# Altium PCB Copy of drac_v3.PcbDoc (part 1 of 5) (continued)
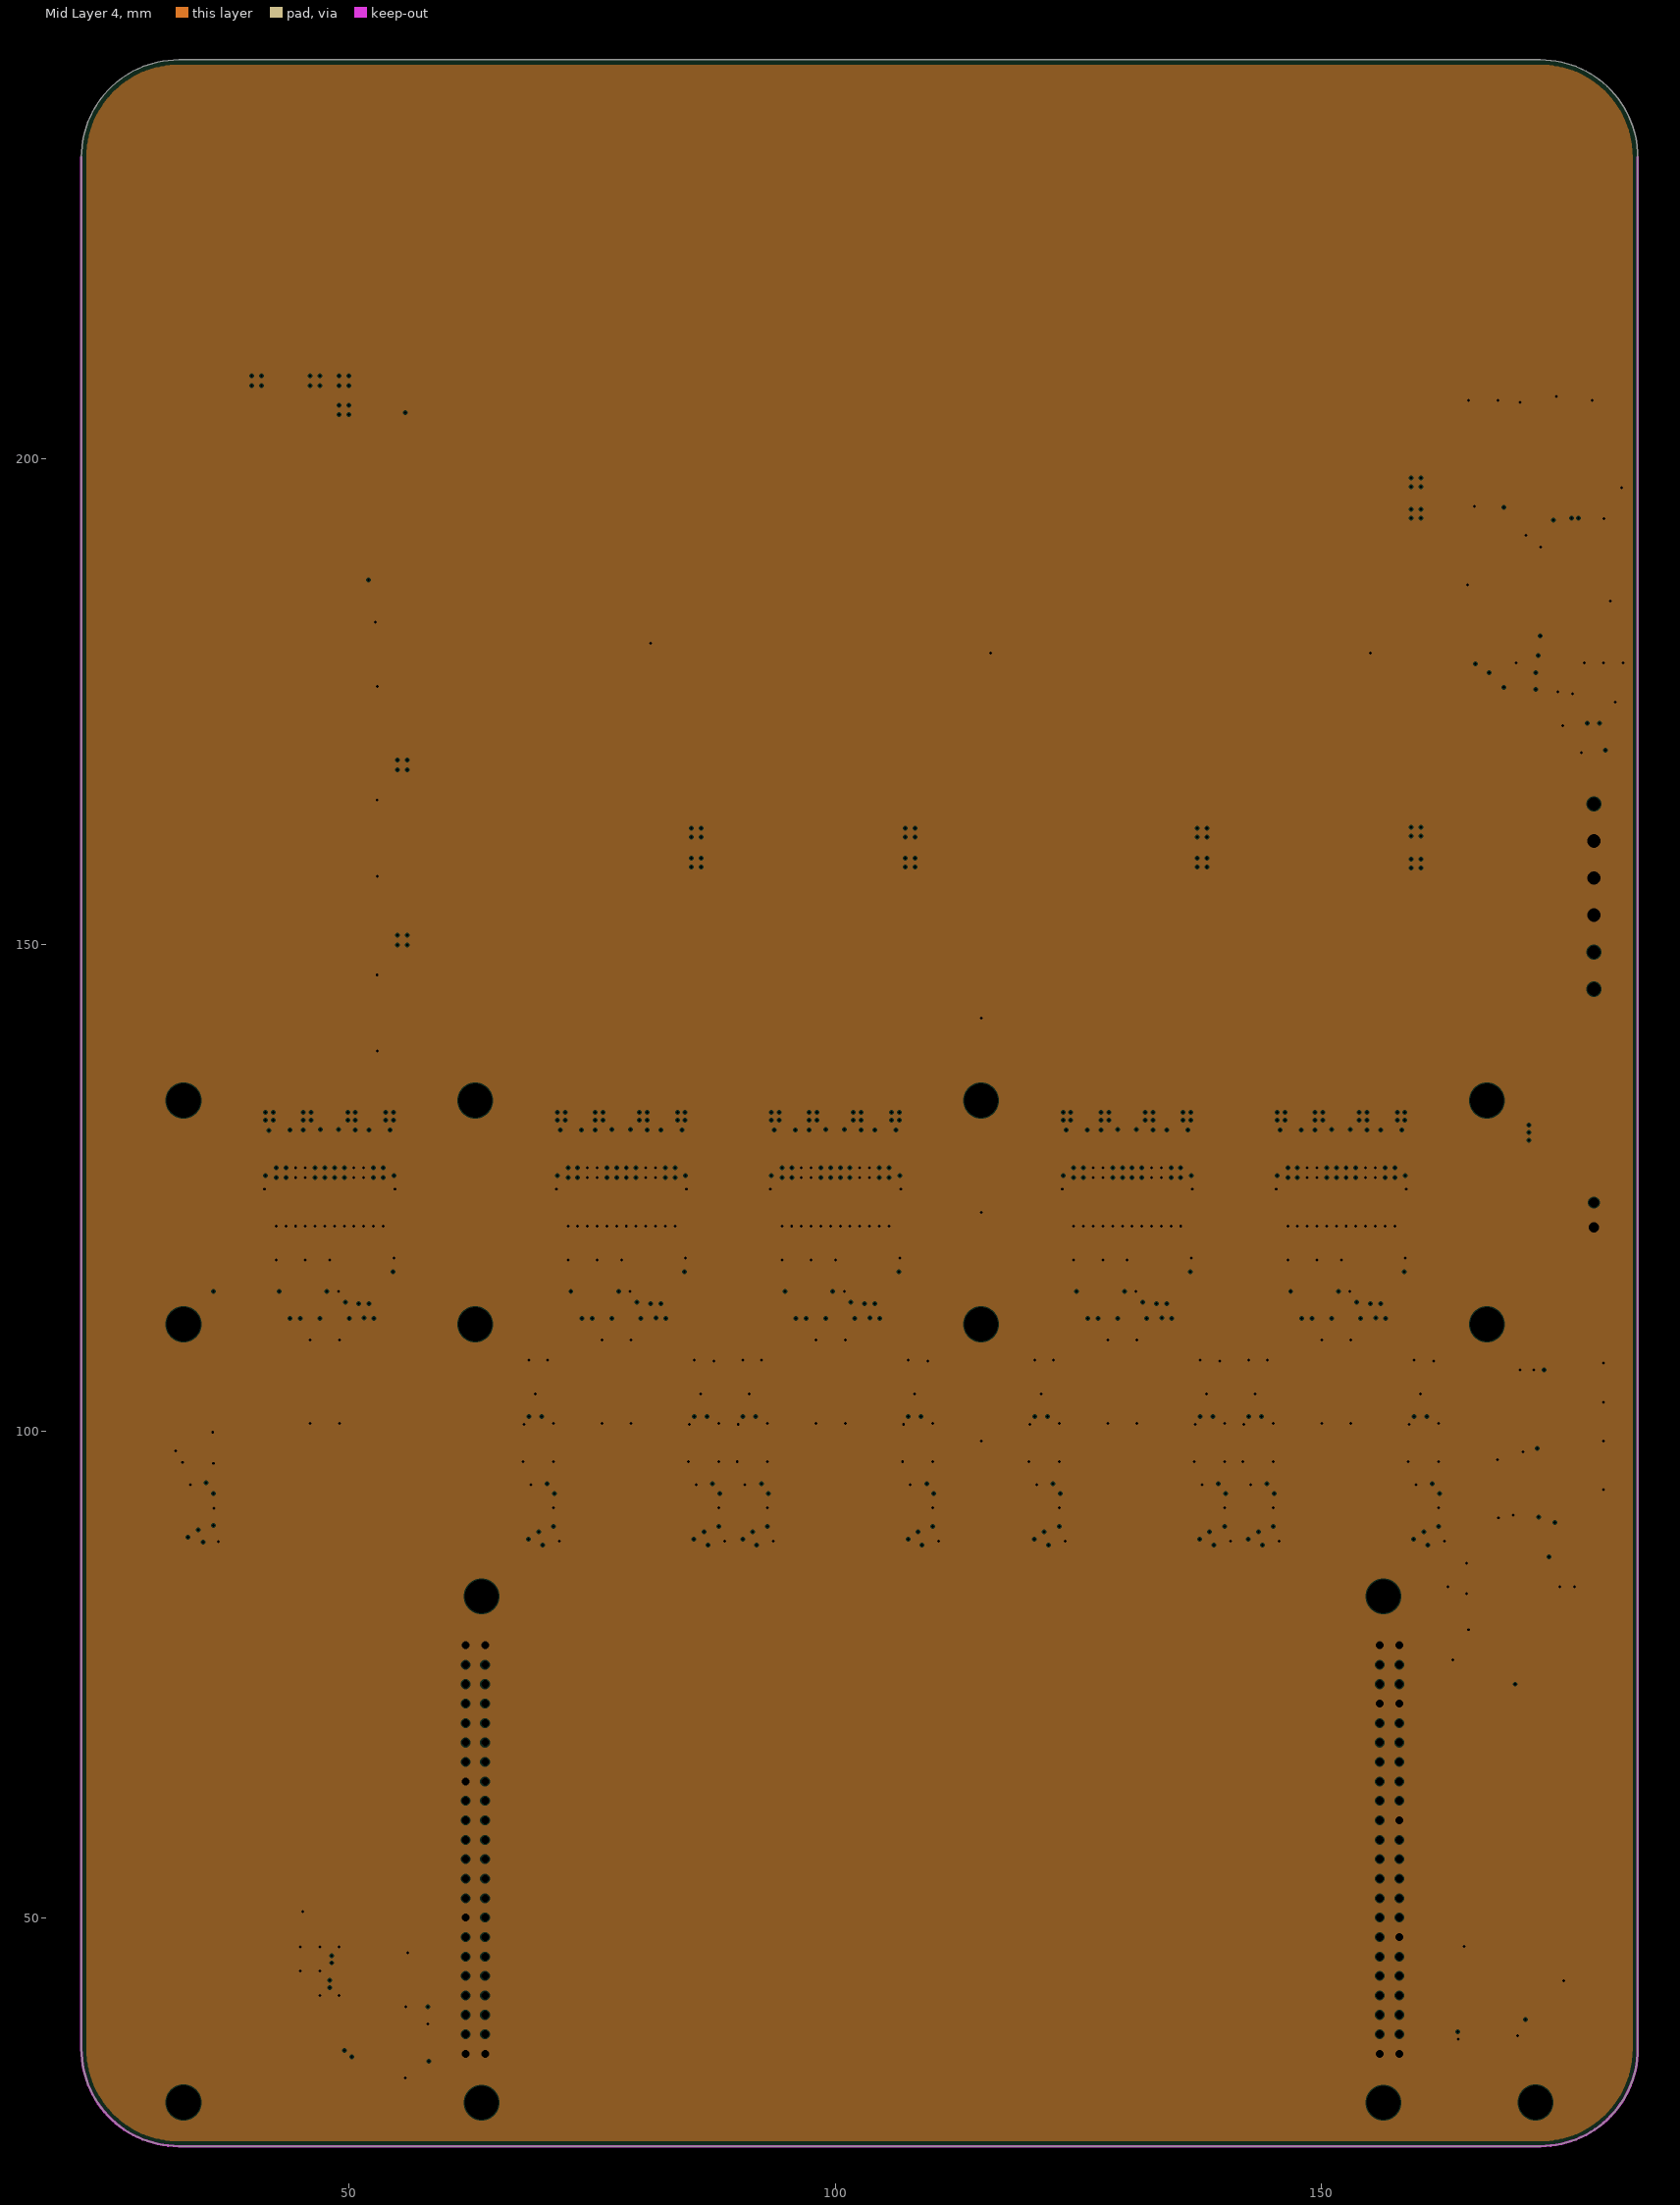
[diagram p3: Mid Layer 4, clearances drawn from the general rule]

## Layer stack, top to bottom
Top Solder: solder mask 0.0127, Solder Resist, Dk 3.8
Top Layer: signal copper 0.035
Dielectric 1: prepreg 0.1, 2313, Dk 4.05
Mid Layer 1: plane copper 0.0175, net GND
Dielectric 2: core 0.565, Core-037, Dk 4.5
Mid Layer 2: signal copper 0.0175
Dielectric 3: prepreg 0.127, PP-016, Dk 4.25
Mid Layer 3: signal copper 0.0175
Dielectric 4: core 0.565, FR-4, Dk 4.5
Mid Layer 4: plane copper 0.0175, net GND
Dielectric 5: prepreg 0.1, 2313, Dk 4.05
Bottom Layer: signal copper 0.035
Bottom Solder: solder mask 0.0127, Solder Resist, Dk 3.8

## Board outline
22.5,36.5 22.5,231 cw(c32.5,231) 32.5,241 172.5,241 cw(c172.5,231) 182.5,231 182.5,36.5 cw(c172.5,36.5) 172.5,26.5 32.5,26.5 cw(c32.5,36.5)

## Design rules (kind name [scope] priority, off if disabled: settings)
BoardOutlineClearance [InNetClass('All Nets')] p1: gap=0.5 ignorepadtopadclearanceinfootprint=FALSE
Clearance Clearance_1 [InPolygon vs OnLayer('Keep-Out Layer')] p1: gap=1 ignorepadtopadclearanceinfootprint=FALSE
Clearance [All] p2: gap=0.127 ignorepadtopadclearanceinfootprint=FALSE except(0.25: Arc-Hole Track-Hole SMDPad-Hole THPad-Hole Via-Hole Fill-Hole Poly-Hole Region-Hole Text-Hole)
ComponentClearance [All] p1: gap=0.102 collisioncheckmode=3 verticalgap=0.102 showdistances=TRUE
DiffPairsRouting [All] p1: maxlimit=0.156 minlimit=0.127 mostfreqgap=0.156 toplayer_mingap=0.156 toplayer_minwidth=0.127 toplayer_maxwidth=0.127 toplayer_prefwidth=0.127 midlayer1_maxgap=0.127 midlayer1_prefgap=0.127 midlayer1_minwidth=0.086 midlayer1_maxwidth=0.086 midlayer1_prefwidth=0.086 midlayer2_maxgap=0.127 midlayer2_prefgap=0.127 midlayer2_minwidth=0.088 midlayer2_maxwidth=0.088 midlayer2_prefwidth=0.088 bottomlayer_mingap=0.156 bottomlayer_minwidth=0.127 bottomlayer_maxwidth=0.127 bottomlayer_prefwidth=0.127 impedanceprofiledriven=TRUE impedanceprofileid={256C0901-E34E-48D7-A504-C0C6CC6A8481} impedanceprofilevalue=100.000000 maxuncoupledlength=12.7
Height [All] p1: minheight=0 maxheight=1816.048 prefheight=12.7
HoleSize [All] p1: absolutevalues=TRUE maxlimit=6.3 minlimit=0.2 maxpercent=80.000 minpercent=20.000
HoleToHoleClearance [All] p1: gap=0.25 allowstackedmicrovias=FALSE
MinimumAnnularRing [All] p1: minimumring=0.076
MinimumSolderMaskSliver [All] p1: minsoldermaskwidth=0
PlaneClearance [All] p1: clearance=0.102
PlaneConnect PlaneConnectPowerPads [InPadClass('PowerPads')] p1: planeconnectstyle=Direct reliefexpansion=0.508 reliefentries=4 reliefconductorwidth=0.254 reliefairgap=0.254
PlaneConnect [All] p2: pad.planeconnectstyle=Relief pad.reliefexpansion=0.3 pad.reliefentries=4 pad.reliefconductorwidth=0.102 pad.reliefairgap=0.102 via.planeconnectstyle=Direct via.reliefexpansion=0.3 via.reliefentries=4 via.reliefconductorwidth=0.127 via.reliefairgap=0.127
PolygonConnect PolygonConnectPowerPads [All vs (InPadClass('PowerPads'))] p1: connectstyle=Direct reliefconductorwidth=0.254 reliefentries=4 polygonreliefangle="90 Angle" airgapwidth=0.254
PolygonConnect [All] p2: thpad.connectstyle=Relief thpad.reliefconductorwidth=0.102 thpad.reliefentries=4 thpad.polygonreliefangle="90 Angle" thpad.airgapwidth=0.102 smdpad.connectstyle=Relief smdpad.reliefconductorwidth=0.102 smdpad.reliefentries=4 smdpad.polygonreliefangle="90 Angle" smdpad.airgapwidth=0.102 via.connectstyle=Direct via.reliefconductorwidth=0.127 via.reliefentries=4 via.polygonreliefangle="90 Angle" via.airgapwidth=0.127
RoomDefinition U_m1 [InComponentClass('U_m1')] p1: confinementstyle=ConfineIn formatcopy=TRUE lockcomponents=FALSE outline 37,87.648 59,87.648 59,287.5 37,287.5
RoomDefinition U_m2 [InComponentClass('U_m2')] p2: confinementstyle=ConfineIn formatcopy=TRUE lockcomponents=FALSE outline 67,87.648 89,87.648 89,215.648 67,215.648
RoomDefinition U_m3 [InComponentClass('U_m3')] p3: confinementstyle=ConfineIn formatcopy=TRUE lockcomponents=FALSE outline 89,87.648 111,87.648 111,215.648 89,215.648
RoomDefinition U_m4 [InComponentClass('U_m4')] p4: confinementstyle=ConfineIn formatcopy=TRUE lockcomponents=FALSE outline 119,87.648 141,87.648 141,215.648 119,215.648
RoomDefinition U_m5 [InComponentClass('U_m5')] p5: confinementstyle=ConfineIn formatcopy=FALSE lockcomponents=FALSE outline 141,87.648 163,87.648 163,215.648 141,215.648
RoomDefinition U_mv_adc [InComponentClass('U_mv_adc')] p6: confinementstyle=ConfineIn formatcopy=TRUE lockcomponents=FALSE outline 31.5,87.5 37,87.5 37,97 31.5,97
RoutingVias [All] p1: holewidth=0.3 width=0.6 viastyle="Through Hole" minholewidth=0.2 minwidth=0.45 maxholewidth=6.3 maxwidth=6.55
SilkToSilkClearance [All] p1: silktosilkclearance=0
SilkToSolderMaskClearance [IsPad] p1: minsilkscreentomaskgap=0.102 clearancetoexposedcopper=TRUE
SolderMaskExpansion [All] p1: expansion=0.075 istentingtop=FALSE
Width [All] p1: maxlimit=10 minlimit=0.127 preferedwidth=0.152
20 further rules are at their usual default settings.

## Classes and differential pairs
channel class motor_channel_x2: U_m1 U_m2 U_m3 U_m4 U_m5
component class U_m5: C5_U_m5 C6_U_m5 C7_U_m5 C8_U_m5 C9_U_m5 C10_U_m5 C11_U_m5 C12_U_m5 C13_U_m5 C14_U_m5 C15_U_m5 C16_U_m5 C17_U_m5 C18_U_m5 C19_U_m5 C20_U_m5 C21_U_m5 C22_U_m5 C23_U_m5 C24_U_m5 C25_U_m5 C26_U_m5 C28_U_m5 C29_U_m5 C30_U_m5 C31_U_m5 C32_U_m5 C33_U_m5 C34_U_m5 C39_U_m5 C42_U_m5 C43_U_m5 C44_U_m5 C45_U_m5 C46_U_m5 C48_U_m5 D1_U_m5 D2_U_m5 J1_U_m5 J2_U_m5 L1_U_m5 L2_U_m5 L3_U_m5 L4_U_m5 R2_U_m5 R3_U_m5 R4_U_m5 R5_U_m5 R6_U_m5 R7_U_m5 R8_U_m5 R9_U_m5 R10_U_m5 R17_U_m5 R18_U_m5 R19_U_m5 R20_U_m5 R24_U_m5 R25_U_m5 R26_U_m5 R27_U_m5 R28_U_m5 R43_U_m5 U2_U_m5 U3_U_m5 U4_U_m5 U5_U_m5 U6_U_m5
component class U_m4: C5_U_m4 C6_U_m4 C7_U_m4 C8_U_m4 C9_U_m4 C10_U_m4 C11_U_m4 C12_U_m4 C13_U_m4 C14_U_m4 C15_U_m4 C16_U_m4 C17_U_m4 C18_U_m4 C19_U_m4 C20_U_m4 C21_U_m4 C22_U_m4 C23_U_m4 C24_U_m4 C25_U_m4 C26_U_m4 C28_U_m4 C29_U_m4 C30_U_m4 C31_U_m4 C32_U_m4 C33_U_m4 C34_U_m4 C39_U_m4 C42_U_m4 C43_U_m4 C44_U_m4 C45_U_m4 C46_U_m4 C48_U_m4 D1_U_m4 D2_U_m4 J1_U_m4 J2_U_m4 L1_U_m4 L2_U_m4 L3_U_m4 L4_U_m4 R2_U_m4 R3_U_m4 R4_U_m4 R5_U_m4 R6_U_m4 R7_U_m4 R8_U_m4 R9_U_m4 R10_U_m4 R17_U_m4 R18_U_m4 R19_U_m4 R20_U_m4 R24_U_m4 R25_U_m4 R26_U_m4 R27_U_m4 R28_U_m4 R43_U_m4 U2_U_m4 U3_U_m4 U4_U_m4 U5_U_m4 U6_U_m4
component class U_m3: C5_U_m3 C6_U_m3 C7_U_m3 C8_U_m3 C9_U_m3 C10_U_m3 C11_U_m3 C12_U_m3 C13_U_m3 C14_U_m3 C15_U_m3 C16_U_m3 C17_U_m3 C18_U_m3 C19_U_m3 C20_U_m3 C21_U_m3 C22_U_m3 C23_U_m3 C24_U_m3 C25_U_m3 C26_U_m3 C28_U_m3 C29_U_m3 C30_U_m3 C31_U_m3 C32_U_m3 C33_U_m3 C34_U_m3 C39_U_m3 C42_U_m3 C43_U_m3 C44_U_m3 C45_U_m3 C46_U_m3 C48_U_m3 D1_U_m3 D2_U_m3 J1_U_m3 J2_U_m3 L1_U_m3 L2_U_m3 L3_U_m3 L4_U_m3 R2_U_m3 R3_U_m3 R4_U_m3 R5_U_m3 R6_U_m3 R7_U_m3 R8_U_m3 R9_U_m3 R10_U_m3 R17_U_m3 R18_U_m3 R19_U_m3 R20_U_m3 R24_U_m3 R25_U_m3 R26_U_m3 R27_U_m3 R28_U_m3 R43_U_m3 U2_U_m3 U3_U_m3 U4_U_m3 U5_U_m3 U6_U_m3
component class U_m2: C5_U_m2 C6_U_m2 C7_U_m2 C8_U_m2 C9_U_m2 C10_U_m2 C11_U_m2 C12_U_m2 C13_U_m2 C14_U_m2 C15_U_m2 C16_U_m2 C17_U_m2 C18_U_m2 C19_U_m2 C20_U_m2 C21_U_m2 C22_U_m2 C23_U_m2 C24_U_m2 C25_U_m2 C26_U_m2 C28_U_m2 C29_U_m2 C30_U_m2 C31_U_m2 C32_U_m2 C33_U_m2 C34_U_m2 C39_U_m2 C42_U_m2 C43_U_m2 C44_U_m2 C45_U_m2 C46_U_m2 C48_U_m2 D1_U_m2 D2_U_m2 J1_U_m2 J2_U_m2 L1_U_m2 L2_U_m2 L3_U_m2 L4_U_m2 R2_U_m2 R3_U_m2 R4_U_m2 R5_U_m2 R6_U_m2 R7_U_m2 R8_U_m2 R9_U_m2 R10_U_m2 R17_U_m2 R18_U_m2 R19_U_m2 R20_U_m2 R24_U_m2 R25_U_m2 R26_U_m2 R27_U_m2 R28_U_m2 R43_U_m2 U2_U_m2 U3_U_m2 U4_U_m2 U5_U_m2 U6_U_m2
component class U_m1: C5_U_m1 C6_U_m1 C7_U_m1 C8_U_m1 C9_U_m1 C10_U_m1 C11_U_m1 C12_U_m1 C13_U_m1 C14_U_m1 C15_U_m1 C16_U_m1 C17_U_m1 C18_U_m1 C19_U_m1 C20_U_m1 C21_U_m1 C22_U_m1 C23_U_m1 C24_U_m1 C25_U_m1 C26_U_m1 C28_U_m1 C29_U_m1 C30_U_m1 C31_U_m1 C32_U_m1 C33_U_m1 C34_U_m1 C39_U_m1 C42_U_m1 C43_U_m1 C44_U_m1 C45_U_m1 C46_U_m1 C48_U_m1 D1_U_m1 D2_U_m1 J1_U_m1 J2_U_m1 L1_U_m1 L2_U_m1 L3_U_m1 L4_U_m1 R2_U_m1 R3_U_m1 R4_U_m1 R5_U_m1 R6_U_m1 R7_U_m1 R8_U_m1 R9_U_m1 R10_U_m1 R17_U_m1 R18_U_m1 R19_U_m1 R20_U_m1 R24_U_m1 R25_U_m1 R26_U_m1 R27_U_m1 R28_U_m1 R43_U_m1 U2_U_m1 U3_U_m1 U4_U_m1 U5_U_m1 U6_U_m1
net class 100ohm: RCLK_N RCLK_P RDAT_N RDAT_P TCLK_N TCLK_P TDAT_N TDAT_P
component class U_relay: D3 D4 D10 D11 D12 D13 D14 D15 P1 P2 Q1 Q2 Q3 R23 R29 R30 R37 R38 R39 R40 R41 R42 U15
component class U_power_supply: C27 C37 C38 C40 C41 C47 C49 C50 D5 D6 D9 F1 F2 FB1 J4 J5 J6 J7 J8 J9 J10 J11 L5 L6 R13 R14 R15 R16 R21 R22 TP1 TP2 TP3 TP4 TP5 TP6 TP7 TP8 TP9 U9 U10 U12
component class U_mv_adc: C1 C2 C3 C4 R1 U1
component class U_lvds_transceiver: C35 C36 J3 L7 L8 L9 L10 R11 R12 U7 U8
component class top: C53 FPGA1 J16 J17 R31 R32 R33 R34 R35 R36 U16
differential pair TDAT: +TDAT_P -TDAT_N
differential pair TCLK: +TCLK_P -TCLK_N
differential pair RDAT: +RDAT_P -RDAT_N
differential pair RCLK: +RCLK_P -RCLK_N

## Components (designator, comment, footprint, x,y, rotation, side; value= is the part's Value field where it differs from the comment)
C1 "0.1µF" FP-GRM155-0_05-IPC_B 35.8,89.13 r270 top
C2 "0.1µF" FP-GRM155-0_05-IPC_B 36.072,95.648 r90 top
C3 "0.1µF" FP-GRM155-0_05-IPC_B 32.866,95.648 r90 top
C4 "CL21B106KQQNNNG" FP-CL21-IPC_C 35.1,92.148 r270 bottom
C5_U_m1 "0.1µF" FP-GRM188-0_1-e0_2_0_55-IPC_B 53.5,130.148 r180 top (schematic designator C5)
C5_U_m2 "0.1µF" FP-GRM188-0_1-e0_2_0_55-IPC_B 83.5,130.148 r180 top (schematic designator C5)
C5_U_m3 "0.1µF" FP-GRM188-0_1-e0_2_0_55-IPC_B 105.5,130.148 r180 top (schematic designator C5)
C5_U_m4 "0.1µF" FP-GRM188-0_1-e0_2_0_55-IPC_B 135.5,130.148 r180 top (schematic designator C5)
C5_U_m5 "0.1µF" FP-GRM188-0_1-e0_2_0_55-IPC_B 157.5,130.148 r180 top (schematic designator C5)
C6_U_m1 "0.1µF" FP-GRM188-0_1-e0_2_0_55-IPC_B 50,130.148 r0 top (schematic designator C6)
C6_U_m2 "0.1µF" FP-GRM188-0_1-e0_2_0_55-IPC_B 80,130.148 r0 top (schematic designator C6)
C6_U_m3 "0.1µF" FP-GRM188-0_1-e0_2_0_55-IPC_B 102,130.148 r0 top (schematic designator C6)
C6_U_m4 "0.1µF" FP-GRM188-0_1-e0_2_0_55-IPC_B 132,130.148 r0 top (schematic designator C6)
C6_U_m5 "0.1µF" FP-GRM188-0_1-e0_2_0_55-IPC_B 154,130.148 r0 top (schematic designator C6)
C7_U_m1 "0.1µF" FP-GRM188-0_1-e0_2_0_55-IPC_B 46,130.148 r180 top (schematic designator C7)
C7_U_m2 "0.1µF" FP-GRM188-0_1-e0_2_0_55-IPC_B 76,130.148 r180 top (schematic designator C7)
C7_U_m3 "0.1µF" FP-GRM188-0_1-e0_2_0_55-IPC_B 98,130.148 r180 top (schematic designator C7)
C7_U_m4 "0.1µF" FP-GRM188-0_1-e0_2_0_55-IPC_B 128,130.148 r180 top (schematic designator C7)
C7_U_m5 "0.1µF" FP-GRM188-0_1-e0_2_0_55-IPC_B 150,130.148 r180 top (schematic designator C7)
C8_U_m1 "0.1µF" FP-GRM188-0_1-e0_2_0_55-IPC_B 42.5,130.148 r0 top (schematic designator C8)
C8_U_m2 "0.1µF" FP-GRM188-0_1-e0_2_0_55-IPC_B 72.5,130.148 r0 top (schematic designator C8)
C8_U_m3 "0.1µF" FP-GRM188-0_1-e0_2_0_55-IPC_B 94.5,130.148 r0 top (schematic designator C8)
C8_U_m4 "0.1µF" FP-GRM188-0_1-e0_2_0_55-IPC_B 124.5,130.148 r0 top (schematic designator C8)
C8_U_m5 "0.1µF" FP-GRM188-0_1-e0_2_0_55-IPC_B 146.5,130.148 r0 top (schematic designator C8)
C9_U_m1 "0.1µF" FP-GRM155-0_05-IPC_B 48,116.148 r90 top (schematic designator C9)
C9_U_m2 "0.1µF" FP-GRM155-0_05-IPC_B 78,116.148 r90 top (schematic designator C9)
C9_U_m3 "0.1µF" FP-GRM155-0_05-IPC_B 100,116.148 r90 top (schematic designator C9)
C9_U_m4 "0.1µF" FP-GRM155-0_05-IPC_B 130,116.148 r90 top (schematic designator C9)
C9_U_m5 "0.1µF" FP-GRM155-0_05-IPC_B 152,116.148 r90 top (schematic designator C9)
C10_U_m1 "0.1µF" FP-GRM155-0_05-IPC_B 56.3,224.6 r90 top (schematic designator C10)
C10_U_m2 "0.1µF" FP-GRM155-0_05-IPC_B 85.5,103.148 r90 bottom (schematic designator C10)
C10_U_m3 "0.1µF" FP-GRM155-0_05-IPC_B 107.5,103.148 r90 bottom (schematic designator C10)
C10_U_m4 "0.1µF" FP-GRM155-0_05-IPC_B 137.5,103.148 r90 bottom (schematic designator C10)
C10_U_m5 "0.1µF" FP-GRM155-0_05-IPC_B 159.5,103.148 r90 bottom (schematic designator C10)
C11_U_m1 "0.1µF" FP-GRM155-0_05-IPC_B 49.7,229 r270 top (schematic designator C11)
C11_U_m2 "0.1µF" FP-GRM155-0_05-IPC_B 88,89.13 r270 top (schematic designator C11)
C11_U_m3 "0.1µF" FP-GRM155-0_05-IPC_B 110,89.13 r270 top (schematic designator C11)
C11_U_m4 "0.1µF" FP-GRM155-0_05-IPC_B 140,89.13 r270 top (schematic designator C11)
C11_U_m5 "0.1µF" FP-GRM155-0_05-IPC_B 162,89.13 r270 top (schematic designator C11)
C12_U_m1 "0.1µF" FP-GRM155-0_05-IPC_B 51.1,224.6 r270 top (schematic designator C12)
C12_U_m2 "0.1µF" FP-GRM155-0_05-IPC_B 88,95.648 r90 top (schematic designator C12)
C12_U_m3 "0.1µF" FP-GRM155-0_05-IPC_B 110,95.648 r90 top (schematic designator C12)
C12_U_m4 "0.1µF" FP-GRM155-0_05-IPC_B 140,95.648 r90 top (schematic designator C12)
C12_U_m5 "0.1µF" FP-GRM155-0_05-IPC_B 162,95.648 r90 top (schematic designator C12)
C13_U_m1 "0.1µF" FP-GRM155-0_05-IPC_B 52.4,224.6 r270 top (schematic designator C13)
C13_U_m2 "0.1µF" FP-GRM155-0_05-IPC_B 85,95.648 r90 top (schematic designator C13)
C13_U_m3 "0.1µF" FP-GRM155-0_05-IPC_B 107,95.648 r90 top (schematic designator C13)
C13_U_m4 "0.1µF" FP-GRM155-0_05-IPC_B 137,95.648 r90 top (schematic designator C13)
C13_U_m5 "0.1µF" FP-GRM155-0_05-IPC_B 159,95.648 r90 top (schematic designator C13)
C14_U_m1 "CL21B106KQQNNNG" FP-CL21-IPC_C 49.07,225 r270 top (schematic designator C14)
C14_U_m2 "CL21B106KQQNNNG" FP-CL21-IPC_C 87,92.148 r270 bottom (schematic designator C14)
C14_U_m3 "CL21B106KQQNNNG" FP-CL21-IPC_C 109,92.148 r270 bottom (schematic designator C14)
C14_U_m4 "CL21B106KQQNNNG" FP-CL21-IPC_C 139,92.148 r270 bottom (schematic designator C14)
C14_U_m5 "CL21B106KQQNNNG" FP-CL21-IPC_C 161,92.148 r270 bottom (schematic designator C14)
C15_U_m1 "1µF" FP-GRM188-0_1-e0_2_0_55-IPC_B 40.525,125.598 r270 top (schematic designator C15)
C15_U_m2 "1µF" FP-GRM188-0_1-e0_2_0_55-IPC_B 70.525,125.598 r270 top (schematic designator C15)
C15_U_m3 "1µF" FP-GRM188-0_1-e0_2_0_55-IPC_B 92.525,125.598 r270 top (schematic designator C15)
C15_U_m4 "1µF" FP-GRM188-0_1-e0_2_0_55-IPC_B 122.525,125.598 r270 top (schematic designator C15)
C15_U_m5 "1µF" FP-GRM188-0_1-e0_2_0_55-IPC_B 144.525,125.598 r270 top (schematic designator C15)
C16_U_m1 "1µF" FP-GRM188-0_1-e0_2_0_55-IPC_B 55.525,125.598 r270 top (schematic designator C16)
C16_U_m2 "1µF" FP-GRM188-0_1-e0_2_0_55-IPC_B 85.525,125.598 r270 top (schematic designator C16)
C16_U_m3 "1µF" FP-GRM188-0_1-e0_2_0_55-IPC_B 107.525,125.598 r270 top (schematic designator C16)
C16_U_m4 "1µF" FP-GRM188-0_1-e0_2_0_55-IPC_B 137.525,125.598 r270 top (schematic designator C16)
C16_U_m5 "1µF" FP-GRM188-0_1-e0_2_0_55-IPC_B 159.525,125.598 r270 top (schematic designator C16)
C17_U_m1 "1µF" FP-GRM188-0_1-e0_2_0_55-IPC_B 55.525,117.098 r90 top (schematic designator C17)
C17_U_m2 "1µF" FP-GRM188-0_1-e0_2_0_55-IPC_B 85.525,117.098 r90 top (schematic designator C17)
C17_U_m3 "1µF" FP-GRM188-0_1-e0_2_0_55-IPC_B 107.525,117.098 r90 top (schematic designator C17)
C17_U_m4 "1µF" FP-GRM188-0_1-e0_2_0_55-IPC_B 137.525,117.098 r90 top (schematic designator C17)
C17_U_m5 "1µF" FP-GRM188-0_1-e0_2_0_55-IPC_B 159.525,117.098 r90 top (schematic designator C17)
C18_U_m1 "CL32B226MOJNNNE" FP-CL32-IPC_B 45.5,114.648 r90 top (schematic designator C18)
C18_U_m2 "CL32B226MOJNNNE" FP-CL32-IPC_B 75.5,114.648 r90 top (schematic designator C18)
C18_U_m3 "CL32B226MOJNNNE" FP-CL32-IPC_B 97.5,114.648 r90 top (schematic designator C18)
C18_U_m4 "CL32B226MOJNNNE" FP-CL32-IPC_B 127.5,114.648 r90 top (schematic designator C18)
C18_U_m5 "CL32B226MOJNNNE" FP-CL32-IPC_B 149.5,114.648 r90 top (schematic designator C18)
C19_U_m1 "0.1µF" FP-GRM155-0_05-IPC_B 43,116.148 r90 top (schematic designator C19)
C19_U_m2 "0.1µF" FP-GRM155-0_05-IPC_B 73,116.148 r90 top (schematic designator C19)
C19_U_m3 "0.1µF" FP-GRM155-0_05-IPC_B 95,116.148 r90 top (schematic designator C19)
C19_U_m4 "0.1µF" FP-GRM155-0_05-IPC_B 125,116.148 r90 top (schematic designator C19)
C19_U_m5 "0.1µF" FP-GRM155-0_05-IPC_B 147,116.148 r90 top (schematic designator C19)
C20_U_m1 "0.1µF" FP-GRM155-0_05-IPC_B 55,224.6 r90 top (schematic designator C20)
C20_U_m2 "0.1µF" FP-GRM155-0_05-IPC_B 87,103.148 r90 bottom (schematic designator C20)
C20_U_m3 "0.1µF" FP-GRM155-0_05-IPC_B 109,103.148 r90 bottom (schematic designator C20)
C20_U_m4 "0.1µF" FP-GRM155-0_05-IPC_B 139,103.148 r90 bottom (schematic designator C20)
C20_U_m5 "0.1µF" FP-GRM155-0_05-IPC_B 161,103.148 r90 bottom (schematic designator C20)
C21_U_m1 "0.1µF" FP-GRM188-0_1-e0_2_0_55-IPC_B 42.5,128.148 r0 top (schematic designator C21)
C21_U_m2 "0.1µF" FP-GRM188-0_1-e0_2_0_55-IPC_B 72.5,128.148 r0 top (schematic designator C21)
C21_U_m3 "0.1µF" FP-GRM188-0_1-e0_2_0_55-IPC_B 94.5,128.148 r0 top (schematic designator C21)
C21_U_m4 "0.1µF" FP-GRM188-0_1-e0_2_0_55-IPC_B 124.5,128.148 r0 top (schematic designator C21)
C21_U_m5 "0.1µF" FP-GRM188-0_1-e0_2_0_55-IPC_B 146.5,128.148 r0 top (schematic designator C21)
C22_U_m1 "0.1µF" FP-GRM188-0_1-e0_2_0_55-IPC_B 46,128.148 r180 top (schematic designator C22)
C22_U_m2 "0.1µF" FP-GRM188-0_1-e0_2_0_55-IPC_B 76,128.148 r180 top (schematic designator C22)
C22_U_m3 "0.1µF" FP-GRM188-0_1-e0_2_0_55-IPC_B 98,128.148 r180 top (schematic designator C22)
C22_U_m4 "0.1µF" FP-GRM188-0_1-e0_2_0_55-IPC_B 128,128.148 r180 top (schematic designator C22)
C22_U_m5 "0.1µF" FP-GRM188-0_1-e0_2_0_55-IPC_B 150,128.148 r180 top (schematic designator C22)
C23_U_m1 "0.1µF" FP-GRM188-0_1-e0_2_0_55-IPC_B 50,128.148 r0 top (schematic designator C23)
C23_U_m2 "0.1µF" FP-GRM188-0_1-e0_2_0_55-IPC_B 80,128.148 r0 top (schematic designator C23)
C23_U_m3 "0.1µF" FP-GRM188-0_1-e0_2_0_55-IPC_B 102,128.148 r0 top (schematic designator C23)
C23_U_m4 "0.1µF" FP-GRM188-0_1-e0_2_0_55-IPC_B 132,128.148 r0 top (schematic designator C23)
C23_U_m5 "0.1µF" FP-GRM188-0_1-e0_2_0_55-IPC_B 154,128.148 r0 top (schematic designator C23)
C24_U_m1 "0.1µF" FP-GRM188-0_1-e0_2_0_55-IPC_B 53.5,128.148 r180 top (schematic designator C24)
C24_U_m2 "0.1µF" FP-GRM188-0_1-e0_2_0_55-IPC_B 83.5,128.148 r180 top (schematic designator C24)
C24_U_m3 "0.1µF" FP-GRM188-0_1-e0_2_0_55-IPC_B 105.5,128.148 r180 top (schematic designator C24)
C24_U_m4 "0.1µF" FP-GRM188-0_1-e0_2_0_55-IPC_B 135.5,128.148 r180 top (schematic designator C24)
C24_U_m5 "0.1µF" FP-GRM188-0_1-e0_2_0_55-IPC_B 157.5,128.148 r180 top (schematic designator C24)
C25_U_m1 "KRM55WR72A226MH01L" FP-KRM55W-6_1_5_3_6_7_1_2-MFG 44.75,121.648 r270 top (schematic designator C25)
C25_U_m2 "KRM55WR72A226MH01L" FP-KRM55W-6_1_5_3_6_7_1_2-MFG 74.75,121.648 r270 top (schematic designator C25)
C25_U_m3 "KRM55WR72A226MH01L" FP-KRM55W-6_1_5_3_6_7_1_2-MFG 96.75,121.648 r270 top (schematic designator C25)
C25_U_m4 "KRM55WR72A226MH01L" FP-KRM55W-6_1_5_3_6_7_1_2-MFG 126.75,121.648 r270 top (schematic designator C25)
C25_U_m5 "KRM55WR72A226MH01L" FP-KRM55W-6_1_5_3_6_7_1_2-MFG 148.75,121.648 r270 top (schematic designator C25)
C26_U_m1 "KRM55WR72A226MH01L" FP-KRM55W-6_1_5_3_6_7_1_2-MFG 51.25,121.648 r270 top (schematic designator C26)
C26_U_m2 "KRM55WR72A226MH01L" FP-KRM55W-6_1_5_3_6_7_1_2-MFG 81.25,121.648 r270 top (schematic designator C26)
C26_U_m3 "KRM55WR72A226MH01L" FP-KRM55W-6_1_5_3_6_7_1_2-MFG 103.25,121.648 r270 top (schematic designator C26)
C26_U_m4 "KRM55WR72A226MH01L" FP-KRM55W-6_1_5_3_6_7_1_2-MFG 133.25,121.648 r270 top (schematic designator C26)
C26_U_m5 "KRM55WR72A226MH01L" FP-KRM55W-6_1_5_3_6_7_1_2-MFG 155.25,121.648 r270 top (schematic designator C26)
C27 "CL32B226MOJNNNE" FP-CL32-IPC_B 177.631,191.807 r0 top
C28_U_m1 "12061C225KAT2A" CAPC3216X180X50NL20T25 51.5,199.5 r270 bottom (schematic designator C28)
C28_U_m2 "12061C225KAT2A" CAPC3216X180X50NL20T25 319,58 r90 top (schematic designator C28)
C28_U_m3 "12061C225KAT2A" CAPC3216X180X50NL20T25 319,68 r90 top (schematic designator C28)
C28_U_m4 "12061C225KAT2A" CAPC3216X180X50NL20T25 319,78 r90 top (schematic designator C28)
C28_U_m5 "12061C225KAT2A" CAPC3216X180X50NL20T25 319,89 r90 top (schematic designator C28)
C29_U_m1 "0.1µF" FP-GRM155-0_05-IPC_B 46.7,224.6 r90 top (schematic designator C29)
C29_U_m2 "0.1µF" FP-GRM155-0_05-IPC_B 68.5,103.148 r90 bottom (schematic designator C29)
C29_U_m3 "0.1µF" FP-GRM155-0_05-IPC_B 90.5,103.148 r90 bottom (schematic designator C29)
C29_U_m4 "0.1µF" FP-GRM155-0_05-IPC_B 120.5,103.148 r90 bottom (schematic designator C29)
C29_U_m5 "0.1µF" FP-GRM155-0_05-IPC_B 142.5,103.148 r90 bottom (schematic designator C29)
C30_U_m1 "0.1µF" FP-GRM155-0_05-IPC_B 40.1,229 r270 top (schematic designator C30)
C30_U_m2 "0.1µF" FP-GRM155-0_05-IPC_B 71,89.13 r270 top (schematic designator C30)
C30_U_m3 "0.1µF" FP-GRM155-0_05-IPC_B 93,89.13 r270 top (schematic designator C30)
C30_U_m4 "0.1µF" FP-GRM155-0_05-IPC_B 123,89.13 r270 top (schematic designator C30)